# KiCad board P1-2.kicad_pcb
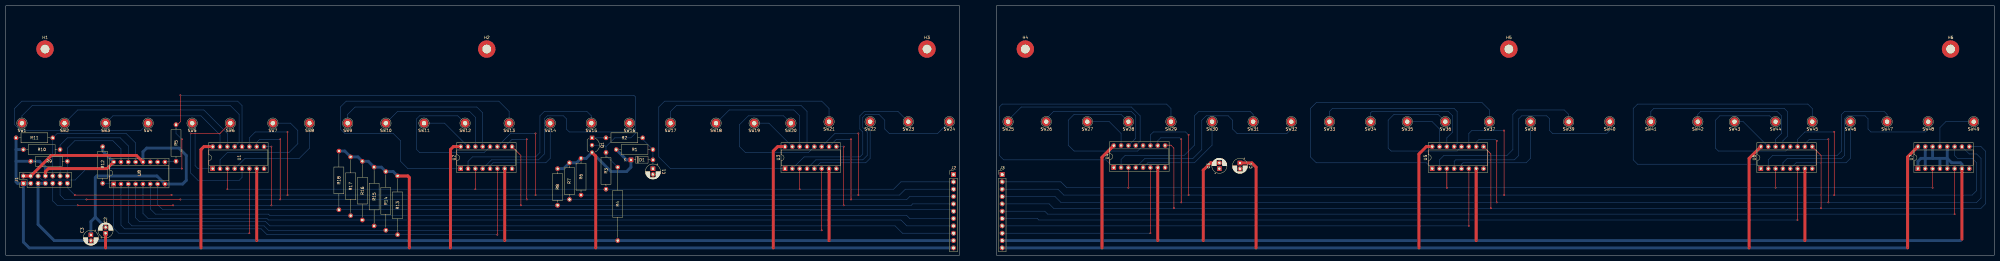
[diagram p0: board, top side]
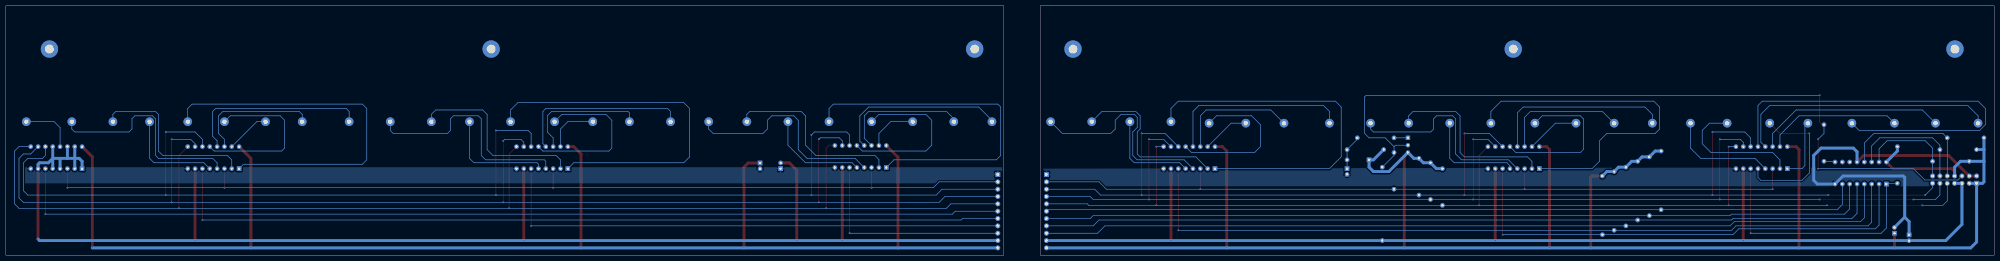
[diagram p1: board, bottom side, seen from below]

Outline 688.34 x 86.36 mm; copper layers: Top, Bottom. Coordinates in mm from the lower left corner of the outline.
Outline path: rectangle 0,86.36 330.2,0 ; rectangle 342.9,86.36 688.34,0
Stack: Top 0.035mm / dielectric 1.51mm FR4 er 4.5 / Bottom 0.035mm

## Placement (name value [footprint] x y rotation side)
C1  10uF  [CP_Radial_D5.0mm_P2.00mm]  224.03 29.97 270 top
C2  10uF  [CP_Radial_D5.0mm_P2.00mm]  34.54 7.62 90 top
C3  10uF  [CP_Radial_D5.0mm_P2.00mm]  29.46 7.05 270 top
C4  10uF  [CP_Radial_D5.0mm_P2.00mm]  427.23 31.94 270 top
C5  10uF  [CP_Radial_D5.0mm_P2.00mm]  420.12 29.97 90 top
D1  1N4148  [D_DO-35_SOD27_P7.62mm_Horizontal]  216.41 33.02 0 top
H1  MountingHole  [MountingHole_3mm_Pad]  13.59 71.37 0 top
H2  MountingHole  [MountingHole_3mm_Pad]  166.5 71.37 0 top
H3  MountingHole  [MountingHole_3mm_Pad]  318.9 71.37 0 top
H4  MountingHole  [MountingHole_3mm_Pad]  352.93 71.37 0 top
H5  MountingHole  [MountingHole_3mm_Pad]  520.32 71.37 0 top
H6  MountingHole  [MountingHole_3mm_Pad]  673.23 71.37 0 top
J1  Conn_02x07_Odd_Even  [PinHeader_2x07_P2.54mm_Vertical]  6.1 24.89 90 top
J2  Conn_01x11_Pin  [PinHeader_1x11_P2.54mm_Vertical]  328.09 27.94 0 top
J3  Conn_01x11_Pin  [PinHeader_1x11_P2.54mm_Vertical]  344.93 27.94 0 top
Q1  BC212L  [TO-92L_Inline_Wide]  202.95 40.64 270 top
R1  100k  [R_Axial_DIN0309_L9.0mm_D3.2mm_P12.70mm_Horizontal]  224.03 36.58 180 top
R2  100k  [R_Axial_DIN0309_L9.0mm_D3.2mm_P12.70mm_Horizontal]  220.47 40.64 180 top
R3  1k0  [R_Axial_DIN0309_L9.0mm_D3.2mm_P12.70mm_Horizontal]  207.77 35.56 270 top
R4  5k6  [R_Axial_DIN0309_L9.0mm_D3.2mm_P25.40mm_Horizontal]  211.84 30.48 270 top
R5  4k7  [R_Axial_DIN0309_L9.0mm_D3.2mm_P12.70mm_Horizontal]  58.93 45.21 270 top
R6  2k7  [R_Axial_DIN0309_L9.0mm_D3.2mm_P12.70mm_Horizontal]  199.14 33.53 270 top
R7  2k7  [R_Axial_DIN0309_L9.0mm_D3.2mm_P12.70mm_Horizontal]  195.14 32 270 top
R8  2k7  [R_Axial_DIN0309_L9.0mm_D3.2mm_P12.70mm_Horizontal]  191.01 29.97 270 top
R9  2k7  [R_Axial_DIN0309_L9.0mm_D3.2mm_P12.70mm_Horizontal]  8.64 32.51 0 top
R10  2k7  [R_Axial_DIN0309_L9.0mm_D3.2mm_P12.70mm_Horizontal]  6.1 36.58 0 top
R11  2k7  [R_Axial_DIN0309_L9.0mm_D3.2mm_P12.70mm_Horizontal]  3.56 40.64 0 top
R12  2k7  [R_Axial_DIN0309_L9.0mm_D3.2mm_P12.70mm_Horizontal]  33.53 37.59 270 top
R13  2k7  [R_Axial_DIN0309_L9.0mm_D3.2mm_P20.32mm_Horizontal]  135.64 27.43 270 top
R14  2k7  [R_Axial_DIN0309_L9.0mm_D3.2mm_P20.32mm_Horizontal]  131.57 28.96 270 top
R15  2k7  [R_Axial_DIN0309_L9.0mm_D3.2mm_P20.32mm_Horizontal]  127.51 30.48 270 top
R16  2k7  [R_Axial_DIN0309_L9.0mm_D3.2mm_P20.32mm_Horizontal]  123.44 32.51 270 top
R17  2k7  [R_Axial_DIN0309_L9.0mm_D3.2mm_P20.32mm_Horizontal]  119.38 34.04 270 top
R18  2k7  [R_Axial_DIN0309_L9.0mm_D3.2mm_P20.32mm_Horizontal]  115.32 36.07 270 top
SW1  Conn_01x01_Pin  [Pin_D1.3mm_L11.0mm_LooseFit]  5.59 45.72 0 top
SW2  Conn_01x01_Pin  [Pin_D1.3mm_L11.0mm_LooseFit]  20.32 45.72 0 top
SW3  Conn_01x01_Pin  [Pin_D1.3mm_L11.0mm_LooseFit]  34.54 45.72 0 top
SW4  Conn_01x01_Pin  [Pin_D1.3mm_L11.0mm_LooseFit]  49.28 45.72 0 top
SW5  Conn_01x01_Pin  [Pin_D1.3mm_L11.0mm_LooseFit]  64.52 45.72 0 top
SW6  Conn_01x01_Pin  [Pin_D1.3mm_L11.0mm_LooseFit]  77.72 45.72 0 top
SW7  Conn_01x01_Pin  [Pin_D1.3mm_L11.0mm_LooseFit]  92.46 45.72 0 top
SW8  Conn_01x01_Pin  [Pin_D1.3mm_L11.0mm_LooseFit]  105.16 45.72 0 top
SW9  Conn_01x01_Pin  [Pin_D1.3mm_L11.0mm_LooseFit]  118.36 45.72 0 top
SW10  Conn_01x01_Pin  [Pin_D1.3mm_L11.0mm_LooseFit]  131.57 45.72 0 top
SW11  Conn_01x01_Pin  [Pin_D1.3mm_L11.0mm_LooseFit]  144.78 45.72 0 top
SW12  Conn_01x01_Pin  [Pin_D1.3mm_L11.0mm_LooseFit]  159 45.72 0 top
SW13  Conn_01x01_Pin  [Pin_D1.3mm_L11.0mm_LooseFit]  174.24 45.72 0 top
SW14  Conn_01x01_Pin  [Pin_D1.3mm_L11.0mm_LooseFit]  188.47 45.72 0 top
SW15  Conn_01x01_Pin  [Pin_D1.3mm_L11.0mm_LooseFit]  202.69 45.72 0 top
SW16  Conn_01x01_Pin  [Pin_D1.3mm_L11.0mm_LooseFit]  215.9 45.72 0 top
SW17  Conn_01x01_Pin  [Pin_D1.3mm_L11.0mm_LooseFit]  230.12 45.72 0 top
SW18  Conn_01x01_Pin  [Pin_D1.3mm_L11.0mm_LooseFit]  245.87 45.72 0 top
SW19  Conn_01x01_Pin  [Pin_D1.3mm_L11.0mm_LooseFit]  259.08 45.72 0 top
SW20  Conn_01x01_Pin  [Pin_D1.3mm_L11.0mm_LooseFit]  271.78 45.72 0 top
SW21  Conn_01x01_Pin  [Pin_D1.3mm_L11.0mm_LooseFit]  284.99 46.23 0 top
SW22  Conn_01x01_Pin  [Pin_D1.3mm_L11.0mm_LooseFit]  299.21 46.23 0 top
SW23  Conn_01x01_Pin  [Pin_D1.3mm_L11.0mm_LooseFit]  312.42 46.23 0 top
SW24  Conn_01x01_Pin  [Pin_D1.3mm_L11.0mm_LooseFit]  326.64 46.23 0 top
SW25  Conn_01x01_Pin  [Pin_D1.3mm_L11.0mm_LooseFit]  346.96 46.23 0 top
SW26  Conn_01x01_Pin  [Pin_D1.3mm_L11.0mm_LooseFit]  360.17 46.23 0 top
SW27  Conn_01x01_Pin  [Pin_D1.3mm_L11.0mm_LooseFit]  374.4 46.23 0 top
SW28  Conn_01x01_Pin  [Pin_D1.3mm_L11.0mm_LooseFit]  388.62 46.23 0 top
SW29  Conn_01x01_Pin  [Pin_D1.3mm_L11.0mm_LooseFit]  403.35 46.23 0 top
SW30  Conn_01x01_Pin  [Pin_D1.3mm_L11.0mm_LooseFit]  417.58 46.23 0 top
SW31  Conn_01x01_Pin  [Pin_D1.3mm_L11.0mm_LooseFit]  431.8 46.23 0 top
SW32  Conn_01x01_Pin  [Pin_D1.3mm_L11.0mm_LooseFit]  445.01 46.23 0 top
SW33  Conn_01x01_Pin  [Pin_D1.3mm_L11.0mm_LooseFit]  458.22 46.23 0 top
SW34  Conn_01x01_Pin  [Pin_D1.3mm_L11.0mm_LooseFit]  472.44 46.23 0 top
SW35  Conn_01x01_Pin  [Pin_D1.3mm_L11.0mm_LooseFit]  485.14 46.23 0 top
SW36  Conn_01x01_Pin  [Pin_D1.3mm_L11.0mm_LooseFit]  498.35 46.23 0 top
SW37  Conn_01x01_Pin  [Pin_D1.3mm_L11.0mm_LooseFit]  513.59 46.23 0 top
SW38  Conn_01x01_Pin  [Pin_D1.3mm_L11.0mm_LooseFit]  527.81 46.23 0 top
SW39  Conn_01x01_Pin  [Pin_D1.3mm_L11.0mm_LooseFit]  541.02 46.23 0 top
SW40  Conn_01x01_Pin  [Pin_D1.3mm_L11.0mm_LooseFit]  555.24 46.23 0 top
SW41  Conn_01x01_Pin  [Pin_D1.3mm_L11.0mm_LooseFit]  569.47 46.23 0 top
SW42  Conn_01x01_Pin  [Pin_D1.3mm_L11.0mm_LooseFit]  585.72 46.23 0 top
SW43  Conn_01x01_Pin  [Pin_D1.3mm_L11.0mm_LooseFit]  598.42 46.23 0 top
SW44  Conn_01x01_Pin  [Pin_D1.3mm_L11.0mm_LooseFit]  612.65 46.23 0 top
SW45  Conn_01x01_Pin  [Pin_D1.3mm_L11.0mm_LooseFit]  625.35 46.23 0 top
SW46  Conn_01x01_Pin  [Pin_D1.3mm_L11.0mm_LooseFit]  638.56 46.23 0 top
SW47  Conn_01x01_Pin  [Pin_D1.3mm_L11.0mm_LooseFit]  651.26 46.23 0 top
SW48  Conn_01x01_Pin  [Pin_D1.3mm_L11.0mm_LooseFit]  665.48 46.23 0 top
SW49  Conn_01x01_Pin  [Pin_D1.3mm_L11.0mm_LooseFit]  681.23 46.23 0 top
U1  4051  [DIP-16_W7.62mm_Socket]  71.63 29.97 90 top
U2  4051  [DIP-16_W7.62mm_Socket]  157.48 29.97 90 top
U3  4051  [DIP-16_W7.62mm_Socket]  269.75 29.97 90 top
U4  4051  [DIP-16_W7.62mm_Socket]  383.54 30.35 90 top
U5  4051  [DIP-16_W7.62mm_Socket]  493.78 29.97 90 top
U6  4051  [DIP-16_W7.62mm_Socket]  607.57 29.97 90 top
U7  4051  [DIP-16_W7.62mm_Socket]  661.92 29.97 90 top
U8  74LS42  [DIP-16_W7.62mm_Socket]  37.33 24.65 90 top

## Library data of the parts
C1-C5 = -: Description: Polarized capacitor, small symbol
D1 = -: Description: 100V 0.15A standard switching diode, DO-35; Sim.Device: D; Sim.Pins: 1=K 2=A
H1-H6 = -: Description: Mounting Hole without connection
J1 = -: Description: Generic connector, double row, 02x07, odd/even pin numbering scheme (row 1 odd numbers, row 2 even numbers), script generated (kicad-library-utils/schlib/autogen/connector/)
J2 J3 = -: Description: Generic connector, single row, 01x11, script generated
Q1 = -: Description: PNP transistor, base/collector/emitter
R1-R18 = -: Description: Resistor, US symbol
SW1-SW49 = -: Description: Generic connector, single row, 01x01, script generated
U1-U7 = -: Description: Analog Multiplexer 8 to 1 lins
U8 = -: Description: 4 to 10 line Decoder

## Footprints (pads in the part's own frame, mm; a bottom-side part is the same pattern mirrored in y, then rotated)
CP_Radial_D5.0mm_P2.00mm
  rect 1.6x1.6 hole 0.8: 1(0,0)
  round 1.6 hole 0.8: 2(2,0)
D_DO-35_SOD27_P7.62mm_Horizontal
  rect 1.6x1.6 hole 0.8: 1(0,0)
  oval 1.6x1.6 hole 0.8: 2(7.62,0)
DIP-16_W7.62mm_Socket
  rect 1.6x1.6 hole 0.8: 1(0,0)
  oval 1.6x1.6 hole 0.8: 2(0,-2.54) 3(0,-5.08) 4(0,-7.62) 5(0,-10.16) 6(0,-12.7) 7(0,-15.24) 8(0,-17.78) 9(7.62,-17.78) 10(7.62,-15.24) 11(7.62,-12.7) 12(7.62,-10.16) 13(7.62,-7.62) 14(7.62,-5.08) 15(7.62,-2.54) 16(7.62,0)
MountingHole_3mm_Pad
  round 6 hole 3: 1(0,0)
Pin_D1.3mm_L11.0mm_LooseFit
  round 3 hole 1.5: 1(0,0)
PinHeader_1x11_P2.54mm_Vertical
  rect 1.7x1.7 hole 1: 1(0,0)
  oval 1.7x1.7 hole 1: 2(0,-2.54) 3(0,-5.08) 4(0,-7.62) 5(0,-10.16) 6(0,-12.7) 7(0,-15.24) 8(0,-17.78) 9(0,-20.32) 10(0,-22.86) 11(0,-25.4)
PinHeader_2x07_P2.54mm_Vertical
  rect 1.7x1.7 hole 1: 1(0,0)
  oval 1.7x1.7 hole 1: 2(2.54,0) 3(0,-2.54) 4(2.54,-2.54) 5(0,-5.08) 6(2.54,-5.08) 7(0,-7.62) 8(2.54,-7.62) 9(0,-10.16) 10(2.54,-10.16) 11(0,-12.7) 12(2.54,-12.7) 13(0,-15.24) 14(2.54,-15.24)
R_Axial_DIN0309_L9.0mm_D3.2mm_P12.70mm_Horizontal
  round 1.6 hole 0.8: 1(0,0)
  oval 1.6x1.6 hole 0.8: 2(12.7,0)
R_Axial_DIN0309_L9.0mm_D3.2mm_P20.32mm_Horizontal
  round 1.6 hole 0.8: 1(0,0)
  oval 1.6x1.6 hole 0.8: 2(20.32,0)
R_Axial_DIN0309_L9.0mm_D3.2mm_P25.40mm_Horizontal
  round 1.6 hole 0.8: 1(0,0)
  oval 1.6x1.6 hole 0.8: 2(25.4,0)
TO-92L_Inline_Wide
  rect 1.5x1.5 hole 0.8: 1(0,0)
  round 1.5 hole 0.8: 2(2.54,0) 3(5.08,0)

## Nets
+5V: C2.1 C4.1 D1.1 J1.1 J1.3 J1.8 J2.11 J3.11 Q1.3 R1.2 R6.1 R7.1 R8.1 R9.1 R10.1 R11.1 R12.1 R13.1 R14.1 R15.1 R16.1 R17.1 R18.1 U1.16 U2.16 U3.16 U4.16 U5.16 U6.16 U7.16 U8.16
-5V: C3.2 C5.2 J1.5 J1.7 J2.10 J3.10 R4.2 U1.7 U2.7 U3.7 U4.7 U5.7 U6.7 U7.1 U7.2 U7.4 U7.5 U7.7 U7.12 U7.14 U7.15
GND: C1.2 C2.2 C3.1 C4.2 C5.1 J1.2 J1.4 J2.1 J3.1 U1.8 U2.8 U3.8 U4.8 U5.8 U6.8 U7.8 U8.8 U8.12
/0: R12.2 U1.6 U8.1
/1: R13.2 U2.6 U8.2
/2: R14.2 U3.6 U8.3
/3: J2.9 J3.9 R15.2 U4.6 U8.4
/4: J2.8 J3.8 R16.2 U5.6 U8.5
/5: J2.7 J3.7 R17.2 U6.6 U8.6
/6: J2.6 J3.6 R18.2 U7.6 U8.7
/A0: J1.13 J2.3 J3.3 R6.2 U1.11 U2.11 U3.11 U4.11 U5.11 U6.11 U7.11
/A1: J1.11 J2.4 J3.4 R7.2 U1.10 U2.10 U3.10 U4.10 U5.10 U6.10 U7.10
/A2: J1.9 J2.5 J3.5 R8.2 U1.9 U2.9 U3.9 U4.9 U5.9 U6.9 U7.9
/A3: J1.14 R9.2 U8.15
/A4: J1.12 R10.2 U8.14
/A5: J1.10 R11.2 U8.13
/K1: SW1.1 U1.13
/K2: SW2.1 U1.14
/K3: SW3.1 U1.15
/K4: SW4.1 U1.12
/K5: SW5.1 U1.1
/K6: SW6.1 U1.5
/K7: SW7.1 U1.2
/K8: SW8.1 U1.4
/K9: SW9.1 U2.13
/K10: SW10.1 U2.14
/K11: SW11.1 U2.15
/K12: SW12.1 U2.12
/K13: SW13.1 U2.1
/K14: SW14.1 U2.5
/K15: SW15.1 U2.2
/K16: SW16.1 U2.4
/K17: SW17.1 U3.13
/K18: SW18.1 U3.14
/K19: SW19.1 U3.15
/K20: SW20.1 U3.12
/K21: SW21.1 U3.1
/K22: SW22.1 U3.5
/K23: SW23.1 U3.2
/K24: SW24.1 U3.4
/K25: SW25.1 U4.13
/K26: SW26.1 U4.14
/K27: SW27.1 U4.15
/K28: SW28.1 U4.12
/K29: SW29.1 U4.1
/K30: SW30.1 U4.5
/K31: SW31.1 U4.2
/K32: SW32.1 U4.4
/K33: SW33.1 U5.13
/K34: SW34.1 U5.14
/K35: SW35.1 U5.15
/K36: SW36.1 U5.12
/K37: SW37.1 U5.1
/K38: SW38.1 U5.5
/K39: SW39.1 U5.2
/K40: SW40.1 U5.4
/K41: SW41.1 U6.13
/K42: SW42.1 U6.14
/K43: SW43.1 U6.15
/K44: SW44.1 U6.12
/K45: SW45.1 U6.1
/K46: SW46.1 U6.5
/K47: SW47.1 U6.2
/K48: SW48.1 U6.4
/K49: SW49.1 U7.13
/KEYSCAN_OUT: J2.2 J3.2 R3.2 U1.3 U2.3 U3.3 U4.3 U5.3 U6.3 U7.3
/OUTPUT: J1.6 Q1.2 R3.1 R4.1 R5.1
Net-(D1-A): C1.1 D1.2 R1.1 R2.1
Net-(Q1-B): Q1.1 R2.2
Net-(U8-7): R5.2 U8.9

Pads without a net: H1 1; H2 1; H3 1; H4 1; H5 1; H6 1; U8 10 11

## Via types
v1: diameter 0.6, hole 0.3, Top to Bottom, 75 vias

## Routing (per net, layer and track width the routed paths; a pad name or vN(x,y) marks a point on that pad's centre or on a via; arc(x,y) is an arc through that point)
+5V: length 1156
  Top w1: U2.16 154.94,37.59 153.92,36.58 v1(153.92,2.54) ; v1(379.48,2.54) 379.48,33.91 U4.16 ; U6.16 603.5,33.53 v1(603.5,2.54) ; C4.1 431.35,31.94 432.82,30.48 v1(432.82,2.54) ; Q1.3 204.22,34.29 v1(204.22,2.54) ; v1(489.2,2.54) 489.2,35.05 491.74,37.59 U5.16 ; C2.1 v1(34.54,2.54) ; R13.1 139.19,27.43 139.7,26.92 v1(139.7,2.54) ; U8.16 35.03,29.97 14.73,29.97 13.72,28.96 J1.8 ; v1(67.56,2.54) 67.56,36.58 68.58,37.59 U1.16 ; v1(658.37,2.54) 658.37,34.04 U7.16 ; v1(265.68,2.54) 265.68,36.07 267.21,37.59 U3.16
  Bottom w1: 3.56,36.58 R11.1 ; 3.56,36.58 3.56,32.51 ; 3.56,36.58 R10.1 ; R8.1 193.11,29.97 R7.1 197.61,32 R6.1 200.91,33.53 Q1.3 209.55,28.96 214.88,28.96 216.41,30.48 D1.1 214.88,33.02 R1.2 ; J1.1 6.1,4.57 8.13,2.54 v1(34.54,2.54) v1(67.56,2.54) v1(139.7,2.54) v1(153.92,2.54) v1(204.22,2.54) v1(265.68,2.54) 328.17,2.54 ; J1.1 4.06,24.89 3.56,25.4 3.56,32.51 ; J1.1 J1.3 ; 3.56,32.51 R9.1 11.68,32.51 13.72,30.48 J1.8 ; R12.1 33.53,36.07 U8.16 ; v1(658.37,2.54) v1(603.5,2.54) v1(489.2,2.54) v1(432.82,2.54) v1(379.48,2.54) J3.11 ; R18.1 117.35,36.07 R17.1 121.92,34.04 R16.1 125.48,32.51 R15.1 130.05,30.48 R14.1 134.11,28.96 R13.1
-5V: length 917.1
  Top w1: U3.7 v1(284.99,5.08) ; U2.7 v1(172.72,5.08) ; C5.2 417.04,31.97 414.53,29.46 v1(414.53,5.08) ; U4.7 v1(398.78,5.08) ; U5.7 v1(509.02,5.08) ; U6.7 v1(622.81,5.08) ; U7.7 v1(677.16,5.59) ; U1.7 v1(86.87,5.08)
  Bottom w1: U7.5 U7.12 ; v1(677.16,5.59) 676.66,5.08 v1(622.81,5.08) v1(509.02,5.08) v1(414.53,5.08) v1(398.78,5.08) J3.10 ; 667,33.53 662.94,33.53 661.92,32.51 U7.1 ; 667,33.53 U7.14 ; 667,33.53 669.54,33.53 ; 669.54,33.53 672.08,33.53 673.61,32 676.66,32 677.16,31.5 U7.7 ; 669.54,33.53 U7.4 ; J1.7 J1.5 11.18,10.67 16.76,5.08 v1(86.87,5.08) v1(172.72,5.08) v1(284.99,5.08) 328.17,5.08 ; U7.2 U7.15
GND: length 132.9
  Top w1: J1.2 J1.4 15.75,34.54 45.21,34.54 U8.12
  Bottom w1: 30.99,13.18 30.99,26.92 31.5,27.43 52.32,27.43 U8.8 61.22,24.65 62.48,25.91 62.48,34.54 59.94,37.08 48.77,37.08 47.49,35.8 U8.12 ; 30.99,13.18 29.46,11.65 C3.1 ; 30.99,13.18 C2.2
/0: length 89.2
  Top w0.2: v1(84.33,7.62) U1.6
  Bottom w0.2: R12.2 37.08,24.89 U8.1 37.33,9.41 39.12,7.62 v1(84.33,7.62)
/1: length 168.8
  Top w0.2: v1(170.18,7.11) U2.6
  Bottom w0.2: U8.2 39.87,10.42 41.15,9.14 88.39,9.14 90.42,7.11 R13.2 v1(170.18,7.11)
/2: length 275.7
  Top w0.2: U3.6 v1(282.45,8.64)
  Bottom w0.2: v1(282.45,8.64) R14.2 90.93,8.64 89.41,10.16 43.69,10.16 42.41,11.44 U8.3
/3: length 371.2
  Top w0.2: 396.24,30.48 v1(396.24,7.62)
  Bottom w0.2: U8.4 44.95,12.96 46.23,11.68 89.92,11.68 91.44,10.16 R15.2 307.85,10.16 310.39,7.62 J2.9 ; v1(396.24,7.62) J3.9
/4: length 474
  Top w0.2: U5.6 v1(506.48,10.16)
  Bottom w0.2: v1(506.48,10.16) J3.8 ; U8.5 47.49,14.49 49.28,12.7 90.42,12.7 90.93,12.19 R16.2 309.88,12.19 311.91,10.16 328.17,10.16
/5: length 581.5
  Top w0.2: U6.6 v1(620.27,12.19)
  Bottom w0.2: v1(620.27,12.19) 357.63,12.19 357.12,12.7 J3.7 ; 50.03,24.65 50.03,16.01 51.82,14.22 90.93,14.22 91.44,13.72 R17.2 311.91,13.72 312.93,12.7 328.17,12.7
/6: length 629.3
  Top w0.2: v1(674.62,14.22) U7.6
  Bottom w0.2: v1(674.62,14.22) 360.68,14.22 359.66,15.24 J3.6 ; 328.17,15.75 R18.2 54.36,15.75 52.57,17.54 U8.7
/A0: length 897.9
  Top w0.2: v1(97.54,42.67) v1(97.54,20.83) ; v1(518.67,43.18) v1(518.67,20.83) ; v1(295.15,20.83) v1(295.15,42.16) ; v1(183.39,42.16) v1(183.39,20.83) ; v1(632.97,42.67) v1(632.97,20.83) ; v1(409.45,41.66) v1(409.45,20.83) ; v1(57.4,20.83) v1(23.88,20.83)
  Bottom w0.2: 21.34,24.89 21.34,23.37 v1(23.88,20.83) ; U7.11 674.62,34.54 675.64,33.53 680.72,33.53 682.24,32 682.24,22.35 680.72,20.83 v1(518.67,20.83) v1(409.45,20.83) 366.27,20.83 364.24,22.86 J3.3 ; U1.11 84.33,40.64 86.36,42.67 v1(97.54,42.67) ; v1(518.67,43.18) 507.49,43.18 506.48,42.16 U5.11 ; U3.11 287.02,42.16 v1(295.15,42.16) ; U4.11 396.24,41.66 397.26,42.67 408.43,42.67 v1(409.45,41.66) ; v1(632.97,42.67) 622.81,42.67 620.27,40.13 U6.11 ; v1(183.39,42.16) 174.75,42.16 U2.11 ; v1(57.4,20.83) v1(97.54,20.83) v1(295.15,20.83) 309.37,20.83 311.4,22.86 J2.3
/A1: length 861.1
  Top w0.2: v1(180.34,40.13) v1(180.34,19.3) ; v1(27.94,19.3) v1(60.45,19.3) ; v1(516.13,39.62) v1(516.13,18.29) ; v1(406.91,40.13) v1(406.91,18.29) ; v1(630.94,40.13) v1(630.94,18.29) ; v1(95,19.3) v1(95,40.13) ; v1(292.61,40.13) v1(292.61,19.3)
  Bottom w0.2: v1(180.34,40.13) 175.26,40.13 U2.10 ; J2.4 312.93,20.32 311.91,19.3 v1(292.61,19.3) R7.2 v1(180.34,19.3) v1(95,19.3) v1(60.45,19.3) ; v1(95,40.13) 87.88,40.13 86.87,39.12 U1.10 ; U6.10 622.81,38.61 624.33,40.13 v1(630.94,40.13) ; v1(292.61,40.13) 287.53,40.13 U3.10 ; U7.10 679.7,35.05 682.24,35.05 683.77,33.53 683.77,19.81 682.24,18.29 v1(516.13,18.29) 365.25,18.29 363.22,20.32 J3.4 ; J1.11 18.8,20.83 20.32,19.3 v1(27.94,19.3) ; U5.10 509.02,39.12 510.03,40.13 515.62,40.13 v1(516.13,39.62) ; v1(406.91,40.13) 406.4,40.64 399.8,40.64 398.78,39.62 U4.10
/A2: length 821.5
  Top w0.2: v1(178.31,17.27) 178.31,34.54 U2.9 ; v1(91.95,37.59) v1(91.95,17.27) ; v1(57.91,17.27) v1(24.89,17.27) ; v1(628.4,16.26) 628.4,34.54 625.35,37.59 ; v1(404.37,16.26) 404.37,37.08 403.35,38.1 401.32,38.1 ; v1(290.07,37.59) v1(290.07,17.27) ; U5.9 514.1,35.05 v1(514.1,16.26)
  Bottom w0.2: U7.9 683.77,37.59 685.29,36.07 685.29,17.78 683.77,16.26 v1(628.4,16.26) v1(404.37,16.26) 362.71,16.26 361.19,17.78 J3.5 ; J2.5 313.94,17.78 313.44,17.27 v1(290.07,17.27) R8.2 v1(91.95,17.27) v1(57.91,17.27) ; U1.9 v1(91.95,37.59) ; v1(24.89,17.27) 17.78,17.27 16.26,18.8 J1.9 ; U3.9 v1(290.07,37.59)
/A3: length 35
  Bottom w0.2: U8.15 39.87,36.84 37.08,39.62 23.88,39.62 21.34,37.08 R9.2 21.34,27.43
/A4: length 42.1
  Bottom w0.2: U8.14 42.41,37.86 39.62,40.64 21.34,40.64 18.8,38.1 R10.2 J1.12
/A5: length 50.5
  Bottom w0.2: J1.10 R11.2 17.78,42.16 41.66,42.16 44.95,38.87 U8.13
/K1: length 92.3
  Bottom w0.2: U1.13 80.77,39.12 80.77,48.77 77.72,51.82 9.14,51.82 5.59,48.26 SW1.1
/K2: length 66.2
  Bottom w0.2: U1.14 76.71,42.16 68.58,50.29 24.89,50.29 SW2.1
/K3: length 47.5
  Bottom w0.2: U1.15 74.17,41.66 67.56,48.26 37.08,48.26 SW3.1
/K4: length 148.4
  Bottom w0.2: U1.12 81.79,51.82 80.26,53.34 5.59,53.34 3.05,50.8 3.05,45.21 5.08,43.18 46.74,43.18 SW4.1
/K5: length 21.7
  Bottom w0.2: U1.1 66.55,29.97 65.53,30.99 65.53,44.7 SW5.1
/K6: length 51.2
  Top w0.2: SW6.1 74.17,42.16 v1(64.01,42.16)
  Bottom w0.2: v1(64.01,42.16) 64.01,28.45 66.55,25.91 80.77,25.91 81.79,26.92 U1.5
/K7: length 46.5
  Bottom w0.2: U1.2 74.17,33.02 76.71,35.56 98.04,35.56 101.09,38.61 101.09,43.18 98.55,45.72 SW7.1
/K8: length 37.5
  Bottom w0.2: U1.4 82.8,33.53 101.6,33.53 105.16,37.08 SW8.1
/K9: length 63.4
  Bottom w0.2: U2.13 165.1,49.28 163.07,51.31 120.9,51.31 118.36,48.77 SW9.1
/K10: length 43.7
  Bottom w0.2: SW10.1 135.64,49.78 160.53,49.78 162.56,47.75 U2.14
/K11: length 18.6
  Bottom w0.2: SW11.1 151.89,45.72 U2.15
/K12: length 55.6
  Bottom w0.2: U2.12 165.61,35.56 143.26,35.56 142.24,36.58 142.24,47.24 143.26,48.26 156.46,48.26 SW12.1
/K13: length 123.9
  Bottom w0.2: U2.1 139.19,29.97 136.65,32.51 136.65,39.62 134.11,42.16 117.35,42.16 115.82,43.69 115.82,51.31 117.86,53.34 170.69,53.34 174.24,49.78 SW13.1
/K14: length 35.1
  Bottom w0.2: SW14.1 188.47,33.53 186.94,32 168.66,32 167.64,30.99 U2.5
/K15: length 63
  Bottom w0.2: U2.2 160.02,32.51 161.54,34.04 183.39,34.04 184.91,35.56 184.91,48.26 186.44,49.78 201.17,49.78 202.69,48.26 SW15.1
/K16: length 72.4
  Bottom w0.2: SW16.1 215.9,43.69 214.88,42.67 195.07,42.67 194.06,43.69 194.06,47.24 193.04,48.26 187.45,48.26 186.44,47.24 186.44,35.05 184.4,33.02 168.15,33.02 U2.4
/K17: length 65.2
  Bottom w0.2: U3.13 277.37,49.78 275.34,51.82 232.16,51.82 230.12,49.78 SW17.1
/K18: length 42.4
  Bottom w0.2: SW18.1 250.44,50.29 272.8,50.29 274.83,48.26 U3.14
/K19: length 16.6
  Bottom w0.2: U3.15 264.16,45.72 SW19.1
/K20: length 55.3
  Bottom w0.2: SW20.1 269.24,48.26 257.05,48.26 254,45.21 254,37.59 256.03,35.56 277.88,35.56 U3.12
/K21: length 128
  Bottom w0.2: U3.1 230.12,29.97 226.06,34.04 226.06,51.31 228.09,53.34 282.45,53.34 284.99,50.8 SW21.1
/K22: length 33.5
  Bottom w0.2: SW22.1 299.21,33.53 297.69,32 281.94,32 U3.5
/K23: length 59
  Bottom w0.2: SW23.1 308.86,49.78 297.18,49.78 295.66,48.26 295.66,43.69 296.67,42.67 296.67,35.05 295.66,34.04 276.35,34.04 U3.2
/K24: length 73.2
  Bottom w0.2: U3.4 280.42,33.02 296.67,33.02 298.2,34.54 298.2,42.67 296.67,44.2 296.67,47.75 297.69,48.77 302.26,48.77 304.29,46.74 304.29,43.69 305.82,42.16 322.58,42.16 SW24.1
/K25: length 60.3
  Bottom w0.2: U4.13 392.68,39.5 392.68,48.26 389.64,51.31 351.54,51.31 346.96,46.74 SW25.1
/K26: length 45
  Bottom w0.2: 388.62,37.97 391.16,40.51 391.16,48.26 389.64,49.78 362.71,49.78 360.17,47.24 SW26.1
/K27: length 17.4
  Bottom w0.2: SW27.1 382.02,46.23 386.08,42.16 386.08,38.1
/K28: length 58.9
  Bottom w0.2: SW28.1 386.08,48.77 369.82,48.77 367.79,46.74 367.79,38.1 369.82,36.07 391.79,36.07 U4.12
/K29: length 123.2
  Bottom w0.2: SW29.1 403.35,50.8 401.83,52.32 344.93,52.32 343.92,51.31 343.92,34.54 345.44,33.02 380.87,33.02 U4.1
/K30: length 35.2
  Bottom w0.2: SW30.1 417.58,38.1 411.48,32 395.35,32 U4.5
/K31: length 64.3
  Bottom w0.2: U4.2 386.08,33.15 387.48,34.54 407.92,34.54 411.48,38.1 411.48,48.26 413,49.78 430.78,49.78 431.8,48.77 SW31.1
/K32: length 74.7
  Bottom w0.2: U4.4 394.34,33.53 410.97,33.53 414.02,36.58 414.02,46.74 415.54,48.26 423.16,48.26 424.69,46.74 424.69,43.69 426.21,42.16 443.48,42.16 445.01,43.69 SW32.1
/K33: length 61.2
  Bottom w0.2: SW33.1 458.22,49.78 459.23,50.8 501.4,50.8 502.41,49.78 502.41,38.61 U5.13
/K34: length 43.8
  Bottom w0.2: U5.14 498.86,40.64 500.89,42.67 500.89,48.26 499.36,49.78 472.95,49.78 472.44,49.28 SW34.1
/K35: length 18.3
  Bottom w0.2: U5.15 496.32,43.69 493.78,46.23 SW35.1
/K36: length 57.8
  Bottom w0.2: U5.12 502.41,36.07 479.55,36.07 478.54,37.08 478.54,46.74 480.57,48.77 495.81,48.77 SW36.1
/K37: length 128.5
  Bottom w0.2: SW37.1 513.59,50.29 511.05,52.83 453.64,52.83 451.61,50.8 451.61,34.04 453.64,32 491.74,32 U5.1
/K38: length 38.9
  Bottom w0.2: SW38.1 527.81,33.53 526.29,32 504.44,32 503.94,31.5 U5.5
/K39: length 65.2
  Bottom w0.2: SW39.1 541.02,48.77 539.5,50.29 523.24,50.29 521.72,48.77 521.72,36.58 519.68,34.54 497.84,34.54 496.32,33.02 U5.2
/K40: length 78.7
  Bottom w0.2: SW40.1 555.24,43.18 554.23,42.16 535.43,42.16 534.42,43.18 534.42,47.24 533.4,48.26 524.76,48.26 523.75,47.24 523.75,34.54 522.22,33.02 501.9,33.02 501.4,32.51 U5.4
/K41: length 64.5
  Bottom w0.2: SW41.1 569.47,49.78 570.48,50.8 615.7,50.8 616.71,49.78 616.71,41.15 615.19,39.62 U6.13
/K42: length 44.1
  Bottom w0.2: U6.14 612.65,40.13 614.68,42.16 614.68,48.26 613.16,49.78 586.74,49.78 585.72,48.77 SW42.1
/K43: length 15.3
  Bottom w0.2: SW43.1 601.47,46.23 610.11,37.59
/K44: length 58.9
  Bottom w0.2: 617.73,37.59 616.2,36.07 592.84,36.07 591.82,37.08 591.82,46.74 593.34,48.26 610.62,48.26 SW44.1
/K45: length 131
  Bottom w0.2: SW45.1 625.35,50.8 623.82,52.32 564.9,52.32 563.37,50.8 563.37,33.02 564.9,31.5 606.04,31.5 U6.1
/K46: length 35
  Bottom w0.2: SW46.1 638.56,33.53 637.03,32 619.76,32 617.73,29.97
/K47: length 61.5
  Bottom w0.2: 610.11,29.97 610.11,33.02 611.63,34.54 633.98,34.54 635.51,36.07 635.51,48.77 636.52,49.78 650.24,49.78 651.26,48.77 SW47.1
/K48: length 73.9
  Bottom w0.2: SW48.1 665.48,43.69 664.46,42.67 645.67,42.67 644.65,43.69 644.65,47.24 643.64,48.26 637.54,48.26 636.52,47.24 636.52,34.54 635.51,33.53 616.71,33.53 615.19,32 U6.4
/K49: length 19.1
  Bottom w0.2: U7.13 669.54,44.2 671.58,46.23 SW49.1
/KEYSCAN_OUT: length 623.6
  Top w0.2: v1(162.56,22.86) U2.3 ; v1(274.83,22.86) U3.3 ; U6.3 v1(612.65,23.37) ; v1(76.71,22.86) U1.3 ; 388.62,30.48 v1(388.62,23.37) ; U7.3 v1(667,23.37) ; U5.3 v1(498.86,23.37)
  Bottom w0.2: v1(76.71,22.86) v1(162.56,22.86) R3.2 v1(274.83,22.86) 307.34,22.86 309.88,25.4 J2.2 ; v1(667,23.37) v1(612.65,23.37) v1(498.86,23.37) v1(388.62,23.37) 367.28,23.37 365.25,25.4 J3.2
/OUTPUT: length 275.7
  Top w0.2: v1(60.45,55.37) 60.45,46.23 59.44,45.21 R5.1 ; v1(60.96,29.97) v1(60.96,40.13)
  Bottom w0.2: 207.77,37.59 207.27,38.09 202.63,38.09 ; 207.77,37.59 R3.1 207.77,34.54 R4.1 ; 207.77,37.59 210.82,40.64 216.41,40.64 217.93,42.16 217.93,54.86 217.42,55.37 v1(60.45,55.37) ; R5.1 58.93,42.16 v1(60.96,40.13) ; J1.6 12.57,26.04 24.01,26.04 27.94,29.97 v1(60.96,29.97)
Net-(D1-A): length 11.7
  Bottom w0.2: R2.1 220.47,40.13 R1.1 224.03,30.42
Net-(Q1-B): length 5.1
  Bottom w0.2: 202.69,40.64 R2.2
Net-(U8-7): length 3.9
  Bottom w0.2: R5.2 55.35,32.51 U8.9

## Copper pours and planes (outline as drawn; the poured copper is in the pictures)
GND on Bottom: 681.74,24.89 343.41,24.89 343.41,30.48 681.74,30.48
GND on Bottom: 329.18,23.88 329.18,29.97 19.79,30.46 19.81,23.88
